# Altium PCB Board_C24_vrs02.PcbDoc (part 2 of 2)
Units mil, origin at the board's own origin, x right, y up, seen from the top; angles counter-clockwise.
Board outline 3346.5 x 3937.01 mil, 2 copper layers (Top Layer, Bottom Layer); 104 components, 99 nets, 511 pads, 285 vias.
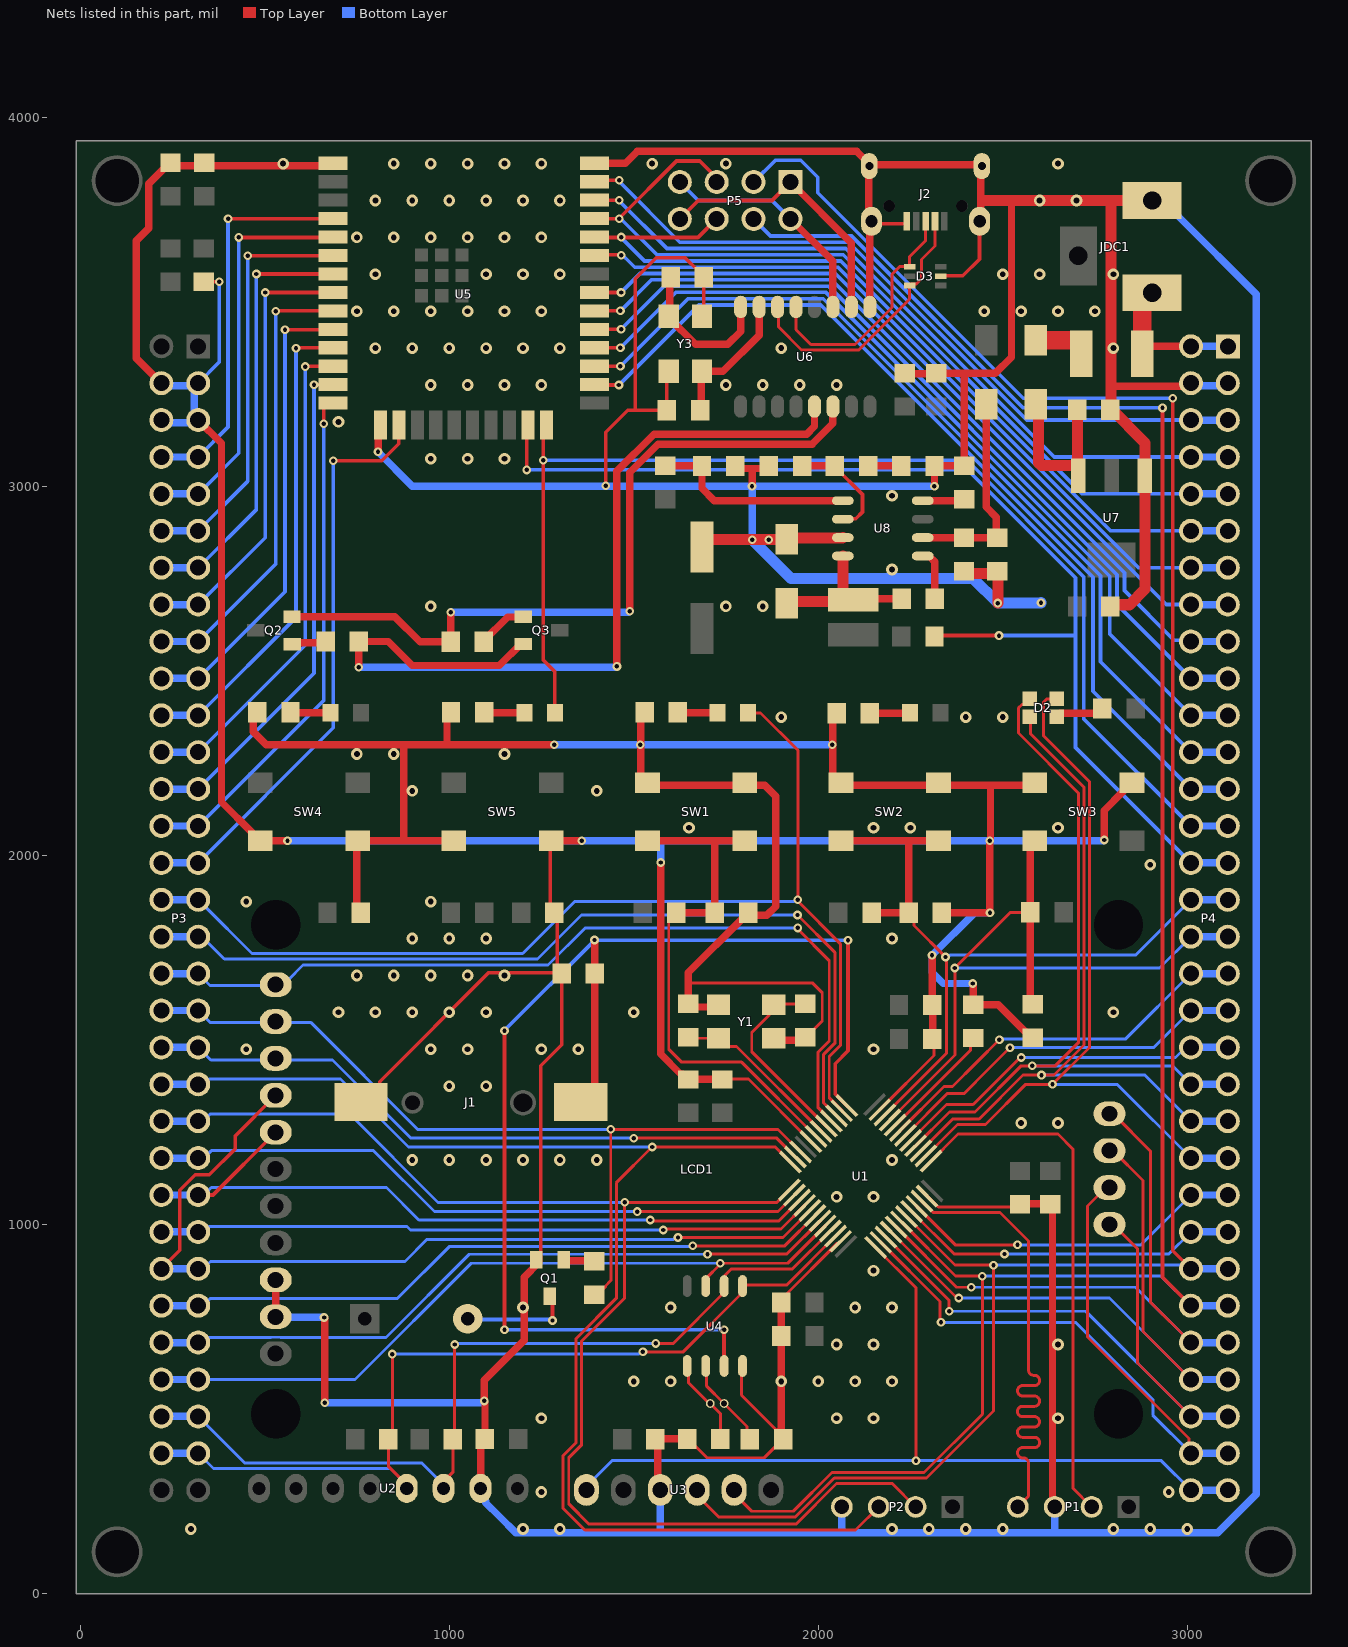
[diagram p2: the nets of this part, all layers, seen from the top]

## Via types
v1: diameter 31.5/31.5 (per signal layer), hole 15.75, Top Layer to Bottom Layer, tented both sides, 145 vias
v2: diameter 23.62, hole 11.81, Top Layer to Bottom Layer, tented both sides, 127 vias
v3: diameter 23.62, hole 11.81, Top Layer to Bottom Layer, 12 vias
v4: diameter 31.5, hole 15.75, Top Layer to Bottom Layer, tented both sides, 1 vias

## Nets (pads, with @x,y where several pads share a name; then routed paths per layer and width w, separated by ;. In a path a pad name is that pad's centre, name@x,y a point inside that pad or via, vN(x,y) a via of type N, cw(c..) or ccw(c..) an arc to the next point about the centre after c; other vN are vias at no path point) (continued)
GND: C1.1 C2.1 C3.1 C4.1 C5.1 C6.1 C7.1 C8.1 C9.1 C10.1 C11.1 C12.1 C13.1 C14.1 C15.1 C16.1 C17.1 C18.1 C19.1 C20.1 C21.1 C22.1 C23.1 C24.1 C25.1 C26.1 C27.1 C28.1 C29.1 C31.2 C32.1 C33.1 C35.1 C36.1 D3.2 D8.1 J1.2 J2.5 J2.Shell JDC1.2 LCD1.9 LCD1.10 P1.3 P2.4 P3.3 P3.4 P3.5 P3.6 P4.3 P4.4 Q1.1 R2.1 R3.1 R14.1 R16.1 R17.1 R19.1 R20.1 SW1.A1 SW1.A2 SW2.A1 SW2.A2 SW3.A1 SW3.A2 SW4.A1 SW4.A2 SW5.A1 SW5.A2 U1.8 U1.23 U1.35 U1.47 U2.2 U3.3 U4.4 U5.1 U5.15 U5.38 U6.1 U7.1 U8.7 Y1.2 Y1.4 Y3.2 Y3.4 | length 34904.8
  Top Layer w8: C2.1@1637,1590.83 C2.1@1646,1599.83 ; C14.1@1644.75,419.75 1655,409.5 1657.5,409.5 1699,368 1853.64,368 1882.14,396.5 1884,396.5 1891.5,404 C15.1@1891.5,428 ; 1648,1648 1655,1655 1984,1655 2011,1628 2011,1551.33 1969.67,1510 1966.28,1510 C1.1@1954,1497.72 ; C10.1@1740,1393 1741,1394 1811,1394 U1.8@1983.33,1221.67 ; U4.4@1792.01,604.71 1792.01,537.49 C15.1@1891.5,438 ; C7.1@1898,790.83 1910,802.83 1910,807.64 U1.23@2051.4,949.04 ; U1.47@2165.4,1309.6 2314,1458.19 2314,1498 C9.1@2309,1503 ; U1.35@2284.56,1088.44 2325.65,1047.35 2535.35,1047.35 C8.1@2536,1048
  Top Layer w10: C25.1@335,3555 v2(377.09,3555) ; J1.2@770.54,1325 811.72,1366.18 811.72,1387.05 1106.67,1682 1303,1682 C17.1@1305,1680 1305,1487 1248,1430 1248,909 Q1.1@1243,904 ; SW5.A1@1265.54,2033 1274,2024.54 C27.1@1274,1845 ; C27.1@1285,1845 1293,1837 C17.1@1293,1680 ; v2(1424,3002) 1424,3147 1483.85,3206.85 C21.1@1590,3206.85 1590,3307.32 Y3.4@1594.72,3312.05 ; 1504,3206.85 1504,3563 1561,3620 1639.35,3620 1675,3584.35 C22.1@1679,3580.35 ; Y3.2@1685.28,3461.65 1690,3466.38 C22.1@1690,3566.85 ; J2.Shell@2144.35,3711.68 2228.82,3711.68 ; D3.2@2327.9,3571 2392,3571 2437,3616 2437,3718.02 J2.Shell@2437.65,3718.68
  Top Layer w20: P3.4@220,3280 152,3348 152,3665.68 186,3699.68 186,3820.35 242.5,3876.85 C23.1@245,3876.85 ; C23.1@242.5,3869.38 U5.1@673.13,3869.38 ; P3.5@320,3180 383,3117 383,2145.11 464.65,2063.46 464.65,2057.56 482.2,2040 SW4.A2@488.11,2040 v2(562,2040) ; R16.1@469,2381.3 469,2335 504,2300 877,2300 ; LCD1.10@530,750 LCD1.9@530,850 ; v2(661,748) 661,747.02 663,745.02 v2(663,517) ; C26.1@749.35,1838 749.35,2024.54 740.89,2033 SW4.A1@749.35,2033 ; SW4.A1@751.89,2040 877,2040 ; v2(807.14,3093.81) 807.83,3094.5 807.83,3160.94 U5.15@813.74,3166.85 ; 994,2300 R14.1@994,2381.3 ; SW5.A2@1012.76,2040 877,2040 ; U2.2@1085,285 1086,286 C12.1@1086,419 ; C12.1@1097,419 1097,519.04 1095,521.04 1095,578 1203,686 1203,857.11 1243,897.11 Q1.1@1243,904 ; SW5.A1@1276.54,2040 v2(1359,2040) ; v2(1285,2300) 877,2300 ; U5.38@1393.27,3875.91 1477.91,3875.91 1510,3908 2104.64,3908 2126.73,3885.91 2130.39,3882.29 J2.Shell@2130.39,3868.28 ; R3.1@1519,2381.3 1519,2197.88 1526.4,2190.48 1855.52,2190.48 1885,2161 1885,1862 1861,1838 C11.1@1805.5,1838 ; C13.1@1559,418 1560,419 C13.1@1565.5,419 ; U3.3@1572,271.16 U3.3@1572,281 1565.5,287.5 C13.1@1565.5,419 ; v2(1573,1981) 1573,1462 1627,1408 1633,1408 C6.1@1648,1393 1649,1394 1739,1394 C10.1@1740,1393 ; C2.1@1637,1590.83 1638.28,1589.56 1717.92,1589.56 Y1.2@1719.2,1588.28 ; C14.1@1645,420 1644.75,419.75 1644,419 C13.1@1565.5,419 ; C2.1@1648,1597.83 1648,1648 1648,1683 1792.5,1827.5 1795,1827.5 1810,1842.5 C11.1@1810,1845 ; R19.1@1764.23,3048.83 1821,3048.83 ; v2(1820.62,3000.62) 1821,3001 1821,3048.83 ; C35.1@1866.23,3055.83 1859.23,3048.83 1821,3048.83 ; Y1.4@1870.36,1499.28 1952.44,1499.28 C1.1@1954,1497.72 ; C15.1@1891.5,428 C15.1@1891.5,438 ; C7.1@1900,788.83 C3.1@1900,698 1900,425 C15.1@1905,420 ; v2(2038,2300) v2@2039,2299 ; R17.1@2039,2378.3 v2@2039,2299 ; J2.Shell@2137.25,3711.68 2137.25,3867.09 J2.Shell@2138.44,3868.28 2142.16,3872 2439.84,3872 J2.Shell@2443.56,3868.28 2440.61,3865.33 2440.61,3721.63 J2.Shell@2437.65,3718.68 ; U6.1@2140,3486.54 2140,3714.33 J2.Shell@2144.35,3718.68 ; C19.1@2235,3306.85 2235.85,3306 2319.15,3306 C20.1@2320,3306.85 2396.24,3306.85 ; v2(2308.37,1729.37) 2308.69,1729.06 2308.69,1595.32 2310,1594.01 2310,1504 C9.1@2309,1503 ; v2(2315.03,3001.03) 2315.13,3001.13 2315.13,3050.18 2320.77,3055.83 2387.31,3055.83 C36.1@2389.78,3053.36 ; C16.1@2331,1845 2465.5,1845 v2(2465.75,1845.25) 2465.38,1845.62 2465.38,2040.38 v2@2467,2042 ; C36.1@2396.24,3055.83 2396.24,3306.85 ; v2(2419,1653) 2420.5,1651.5 2420.5,1596 2488,1596 2562.5,1521.5 2566.5,1521.5 C18.1@2581.5,1506.5 ; v2(2465,2040) v2@2467,2042 ; 2526,3775 2524,3773 2524,3350.7 2480.15,3306.85 2396.24,3306.85 ; C8.1@2547,1055 2548,1056 2628.01,1056 C4.1@2629.01,1055 2635.01,1049.01 2635.01,240.74 P1.3@2641,234.75 ; SW3.A1@2575.69,2190.48 2468,2190.48 ; v2(2775,2042) 2775,2122.01 2827.01,2174.02 2827.01,2179.92 2844.57,2197.48 SW3.A2@2850.47,2197.48 ; 2793,3272 3002,3272 P4.4@3010,3280 ; 877,2040 877,2300 ; v2@2039,2299 2039,2202.53 2051.05,2190.48 2468,2190.48 ; v2@2467,2042 2467,2189.48 2468,2190.48
  Top Layer w30: C31.2@1690.72,2849 1697.73,2856 v2(1866,2856) 1913.79,2856 D8.1@1915.23,2857.44 ; D8.1@1918.79,2861 2066.38,2861 U8.7@2066.96,2861.58 ; C33.1@2384.23,2763.83 2484,2763.83 2487,2760.83 v2(2487,2684) ; 2446.56,3775 2526,3775 2793,3775 ; C29.1@2792,2674.83 2796.66,2679.48 2843.48,2679.48 2886,2722 2886,3028.72 U7.1@2885.55,3029.17 2885.55,3118.45 2793,3211 2793,3272 2793,3775 ; JDC1.2@2905,3775 2793,3775
  Bottom Layer w10: P3.3@320,3280 377.09,3337.09 v2(377.09,3555)
  Bottom Layer w20: P3.6@209,3173 309,3173 309,3273 P3.4@209,3273 ; LCD1.10@530,750 531.31,748.69 660.31,748.69 v2(661,748) ; v2(562,2040) v2(1359,2040) 1573,2040 ; v2(663,517) 1089,517 1094.02,522.02 v2(1095,522.02) ; v2(807.14,3093.81) 900.33,3000.62 v2(1820.62,3000.62) ; U2.2@1085,285 1085,264.59 1099.51,250.08 1099.51,245.49 1136.24,208.76 1180,165 1572,165 ; v2(1285,2300) v2(1518,2300) v2(2038,2300) ; U3.3@1572,281 1572,165 ; v2(1573,1981) 1573,2040 ; v2(1821,2856) 1821,3000.25 v2(1820.62,3000.62) ; P2.4@2064,234.75 2064,172.63 2071.63,165 ; v2(2315.03,3001.03) 2314.62,3000.62 v2(1820.62,3000.62) ; v2(2419,1653) 2339,1653 2308.37,1683.63 v2(2308.37,1729.37) 2424.25,1845.25 v2(2465.75,1845.25) ; 2641,165 P1.3@2641,234.75 ; v2(2775,2042) 2774.02,2042 2772.02,2040 v2(2465,2040) 1573,2040 ; JDC1.2@2905,3775 2935,3775 2975,3735 2975,3733 3187,3521 3187,269 3083,165 2071.63,165 ; P4.4@2999,3273 P4.3@3099,3273 ; 1572,165 2071.63,165
  Bottom Layer w30: v2(1821,2856) 1926,2751 2420,2751 v2(2487,2684) 2603,2684 v2(2604,2685)
  other v1: 300,175 1200,175 1300,175 2200,175 2300,175 2400,175 2500,175 2800,175 2900,175 3000,175 1250,275 2950,275 1250,475 2050,475 2150,475 2650,475 1500,575 1600,575 1900,575 2000,575 2100,575 2200,575 2050,675 2150,675 2650,675 1200,775 1600,775 2100,775 2200,775 2150,875 2050,1075 2150,1075 900,1175 1000,1175 1100,1175 1200,1175 1300,1175 1400,1175 2200,1175 2550,1275 2650,1275 1000,1375 1100,1375 450,1475 950,1475 1050,1475 1250,1475 1350,1475 2150,1475 700,1575 800,1575 900,1575 1000,1575 1100,1575 1500,1575 2800,1575 750,1675 850,1675 950,1675 1050,1675 1150,1675 900,1775 1000,1775 1100,1775 2200,1775 450,1875 950,1875 2900,1975 1650,2075 2150,2075 2250,2075 2650,2075 900,2175 1400,2175 750,2275 850,2275 1150,2275 1900,2375 2400,2375 2500,2375 950,2675 1750,2675 1850,2675 2200,2775 2200,2975 950,3075 1050,3075 1150,3075 700,3175 950,3275 1050,3275 1150,3275 1250,3275 1750,3275 1850,3275 1950,3275 2050,3275 800,3375 900,3375 1000,3375 1100,3375 1200,3375 1300,3375 1900,3375 2800,3375 750,3475 850,3475 950,3475 1050,3475 1150,3475 1250,3475 2450,3475 2550,3475 2650,3475 2750,3475 800,3575 1100,3575 1200,3575 1300,3575 2500,3575 2600,3575 2800,3575 750,3675 850,3675 950,3675 1050,3675 1150,3675 1250,3675 800,3775 900,3775 1000,3775 1100,3775 1200,3775 1300,3775 2600,3775 2700,3775 550,3875 850,3875 950,3875 1050,3875 1150,3875 1250,3875 1550,3875 1750,3875 2650,3875
IO2: D4.1 P4.27 P4.28 U5.24 | length 3288.1
  Top Layer w10: U5.24@1263.74,3166.85 1255,3158.11 1255,2530 1286.34,2498.66 D4.1@1286.34,2386.3
  Bottom Layer w10: v2(1255,3071.19) 2403.64,3071.19 2720,2754.83 2720,2370 P4.28@3010,2080
  Bottom Layer w20: P4.28@3010,2080 P4.27@3110,2080
IO4: P4.25 P4.26 U5.26 | length 2531.4
  Top Layer w10: U5.26@1393.27,3275.91 1394.17,3275 v2(1460,3275)
  Bottom Layer w10: v2(1460,3275) 1677,3492 2006.88,3492 2745,2753.88 2745,2445 P4.26@3010,2180
  Bottom Layer w20: P4.26@3010,2180 P4.25@3110,2180
IO5: P4.19 P4.20 U5.29 | length 2253
  Top Layer w10: U5.29@1393.27,3425.91 v2(1465.91,3425.91)
  Bottom Layer w10: v2(1465.91,3425.91) 1583,3543 2028,3543 2810,2761 2810,2680 P4.20@3010,2480
  Bottom Layer w20: P4.20@3010,2480 P4.19@3110,2480
IO12: P3.27 P3.28 U5.14 | length 1403.8
  Top Layer w10: v2(660,3170) 660.08,3170.08 660.08,3213.19 672.8,3225.91 U5.14@684.61,3225.91
  Bottom Layer w10: P3.27@320,2080 660,2420 v2(660,3170)
  Bottom Layer w20: P3.28@220,2080 P3.27@320,2080
IO13: P3.29 P3.30 U5.16 | length 1588.7
  Top Layer w10: v2(686.19,3070) 817,3070 863.18,3116.18 863.18,3166.29 U5.16@863.74,3166.85
  Bottom Layer w10: P3.29@320,1980 686.19,2346.19 v2(686.19,3070)
  Bottom Layer w20: P3.30@220,1980 P3.29@320,1980
IO14: P3.25 P3.26 U5.13 | length 1376.7
  Top Layer w10: v2(633.81,3275.91) U5.13@684.61,3275.91
  Bottom Layer w10: P3.25@320,2180 633.81,2493.81 v2(633.81,3275.91)
  Bottom Layer w20: P3.26@220,2180 P3.25@320,2180
IO15: P4.29 P4.30 R12.1 U5.23 | length 3118.9
  Top Layer w10: v2(1210,3045) 1210,3163.11 U5.23@1213.74,3166.85 ; R12.1@2315.23,2593.73 2317.5,2596 v2(2490,2596)
  Bottom Layer w10: v2(1210,3045) 2405,3045 2697.5,2752.5 2697.5,2600 ; v2(2490,2596) 2693.5,2596 2697.5,2600 ; P4.30@3010,1980 2697.5,2292.5 2697.5,2596 2697.5,2600
  Bottom Layer w20: P4.30@3010,1980 P4.29@3110,1980
IO16: P4.23 P4.24 U5.27 | length 2438.1
  Top Layer w10: U5.27@1393.27,3325.91 v2(1464.09,3325.91)
  Bottom Layer w10: v2(1464.09,3325.91) 1647.19,3509 2013.92,3509 2765,2757.92 2765,2525 P4.24@3010,2280
  Bottom Layer w20: P4.24@3010,2280 P4.23@3110,2280
IO17: P4.21 P4.22 U5.28 | length 2345.5
  Top Layer w10: U5.28@1393.27,3375.91 v2(1464.09,3375.91)
  Bottom Layer w10: v2(1464.09,3375.91) 1614.19,3526 2020.96,3526 2790,2756.96 2790,2600 P4.22@3010,2380
  Bottom Layer w20: P4.22@3010,2380 P4.21@3110,2380
IO18: P4.17 P4.18 U5.30 | length 2185.6
  Top Layer w10: U5.30@1393.27,3475.91 v2(1464.09,3475.91)
  Bottom Layer w10: v2(1464.09,3475.91) 1548.19,3560 2036,3560 2830,2766 2830,2718 2964.38,2583.62 3006.38,2583.62 P4.18@3010,2580
  Bottom Layer w20: P4.18@3010,2580 P4.17@3110,2580
IO19: P4.15 P4.16 U5.31 | length 2109.4
  Top Layer w10: U5.31@1393.27,3525.91 v2(1465.91,3525.91)
  Bottom Layer w10: v2(1465.91,3525.91) 1517,3577 2046,3577 2943,2680 P4.16@3010,2680
  Bottom Layer w20: P4.16@3010,2680 P4.15@3110,2680
IO21: P4.13 P4.14 U5.33 | length 2068.9
  Top Layer w10: U5.33@1393.27,3625.91 1395.36,3628 1464.81,3628 v2(1466,3626.81)
  Bottom Layer w10: v2(1466,3626.81) 1469.69,3626.81 1476.5,3620 1477,3620 1503,3594 2053.92,3594 2867.92,2780 P4.14@3010,2780
  Bottom Layer w20: P4.14@3010,2780 P4.13@3110,2780
IO22: P4.7 P4.8 U5.36 | length 2005
  Top Layer w10: U5.36@1393.27,3775.91 v2@1459.09,3775.91
  Bottom Layer w10: v2@1459.09,3775.91 1590,3645 2075.04,3645 2640.04,3080 P4.8@3010,3080
  Bottom Layer w20: P4.8@3010,3080 P4.7@3110,3080
  other v2: 1461.09,3775.91
IO23: P4.5 P4.6 U5.37 | length 1989.4
  Top Layer w10: U5.37@1393.27,3825.91 1397.36,3830 v2@1460,3830
  Bottom Layer w10: v2@1460,3830 1460,3827.1 1625.1,3662 2083,3662 2565,3180 P4.6@3010,3180
  Bottom Layer w20: P4.6@3010,3180 P4.5@3110,3180
  other v2: 1461,3830
IO25: P3.19 P3.20 U5.10 | length 1272.3
  Top Layer w10: v2(555,3425) 683.7,3425 U5.10@684.61,3425.91
  Bottom Layer w10: P3.19@320,2480 555,2715 v2(555,3425)
  Bottom Layer w20: P3.20@220,2480 P3.19@320,2480
IO26: P3.21 P3.22 U5.11 | length 1304.7
  Top Layer w10: v2(585,3375) 585.91,3375.91 U5.11@684.61,3375.91
  Bottom Layer w10: P3.21@320,2380 585,2645 v2(585,3375)
  Bottom Layer w20: P3.22@220,2380 P3.21@320,2380
IO27: P3.23 P3.24 U5.12 | length 1340.1
  Top Layer w10: v2(610,3325) 610.91,3325.91 U5.12@684.61,3325.91
  Bottom Layer w10: P3.23@320,2280 610,2570 v2(610,3325)
  Bottom Layer w20: P3.24@220,2280 P3.23@320,2280
IO32: P3.15 P3.16 U5.8 | length 1204.2
  Top Layer w10: v2(501.43,3525.91) U5.8@684.61,3525.91
  Bottom Layer w10: P3.15@320,2680 501.43,2861.43 v2(501.43,3525.91)
  Bottom Layer w20: P3.16@220,2680 P3.15@320,2680
IO33: P3.17 P3.18 U5.9 | length 1236.8
  Top Layer w10: v2(530,3475) cw(c532.19,3472.81) 532.19,3475.91 U5.9@684.61,3475.91
  Bottom Layer w10: P3.17@320,2580 530,2790 v2(530,3475)
  Bottom Layer w20: P3.18@220,2580 P3.17@320,2580
IO34: P3.11 P3.12 U5.6 | length 1131.6
  Top Layer w10: v2(453.81,3625) 683.7,3625 U5.6@684.61,3625.91
  Bottom Layer w10: P3.11@320,2880 453.81,3013.81 v2(453.81,3625)
  Bottom Layer w20: P3.12@220,2880 P3.11@320,2880
IO35: P3.13 P3.14 U5.7 | length 1168.2
  Top Layer w10: v2(477.62,3575.91) U5.7@684.61,3575.91
  Bottom Layer w10: P3.13@320,2780 477.62,2937.62 v2(477.62,3575.91)
  Bottom Layer w20: P3.14@220,2780 P3.13@320,2780
NetB*1_2: BZ1.2 Q1.2 | length 297.9
  Top Layer w10: v2(1280,740) Q1.2@1280,805.79
  Bottom Layer w10: BZ1.2@1050,745 1052.5,742.5 1277.5,742.5 v2(1280,740)
NetC1_2: C1.2 U1.5 Y1.1 | length 530.1
  Top Layer w8: Y1.1@1879.8,1595.28 1881.53,1597 1964.17,1597 C1.2@1965,1597.83 ; Y1.1@1890.87,1595.28 1867.31,1571.72 1867.31,1567.78 1820,1520.47 1820,1468.48 U1.5@2023.42,1265.05
NetC2_2: C2.2 U1.6 Y1.3 | length 473.7
  Top Layer w8: C2.2@1648,1507.83 1651.11,1504.72 1745.2,1504.72 1745.2,1494.71 1757.69,1482.21 1778.43,1482.21 U1.6@2009.51,1251.14
NetC11_2: C11.2 R1.1 SW1.B1 SW1.B2 U1.7 | length 1443.2
  Top Layer w8: R1.1@1615,1845 1595,1825 1595,1475 1630,1440 1792.8,1440 U1.7@1995.59,1237.22
  Top Layer w20: SW1.B1@1537.4,2040 1725,2040 ; R1.1@1615,1845 C11.2@1720,1845 1720,2035 1725,2040 ; SW1.B2@1801.18,2040 1725,2040
NetC14_2: C14.2 U4.1 Y2.1 | length 255.4
  Top Layer w8: U4.1@1645,636.73 1647.99,633.74 1647.99,572.01 1705,515 Y2.1@1707.44,515 1735,487.44 C14.2@1735,420
NetC15_2: C15.2 U4.2 Y2.2 | length 263.9
  Top Layer w8: U4.2@1696.83,634.9 1696.83,563.17 Y2.2@1745,515 1807.19,452.81 1807.19,427.81 C15.2@1815,420
NetC21_2: C21.2 U6.7 Y3.1 | length 379.2
  Top Layer w20: C21.2@1680,3206.85 1682.64,3209.49 1682.64,3309.41 Y3.1@1685.28,3312.05 1742.05,3312.05 1840,3410 U6.7@1840,3486.54
NetC22_2: C22.2 U6.8 Y3.3 | length 413.8
  Top Layer w20: Y3.3@1594.72,3457.72 1667.44,3385 1755,3385 1790,3420 U6.8@1790,3486.54 ; Y3.3@1594.72,3461.65 1597.36,3464.29 1597.36,3564.21 C22.2@1600,3566.85
NetC30_1: C30.1 D8.2 L1.1 U8.8 | length 452.9
  Top Layer w8: L1.1@2095.23,2693.07 L1.1@2125,2693.07
  Top Layer w20: L1.1@2125,2693.07 2127.76,2695.83 C30.1@2226.23,2695.83
  Top Layer w30: D8.2@1915.23,2684.21 1919.66,2688.64 2090.8,2688.64 L1.1@2095.23,2693.07 2083.45,2693.07 2066.96,2709.57 U8.8@2066.96,2811.58
NetC30_2: C30.2 U8.1 | length 139.1
  Top Layer w20: U8.1@2283.49,2811.58 2300.23,2811.58 2316.23,2795.59 C30.2@2316.23,2695.83
NetC34_1: C34.1 R20.2 | length 90
  Top Layer w20: C34.1@2135.23,3055.83 R20.2@2225.23,3055.83
NetC34_2: C34.2 C35.2 U8.6 | length 305.9
  Top Layer w10: C34.2@2045.23,3055.83 2045.23,3053.33 2120,2978.55 2120,2931 2101.59,2912.59 2067.96,2912.59 U8.6@2066.96,2911.58
  Top Layer w20: C35.2@1956.23,3055.83 C34.2@2045.23,3055.83
NetC36_2: C36.2 U8.4 | length 114.5
  Top Layer w20: U8.4@2283.49,2961.58 2391.99,2961.58 C36.2@2396.24,2965.83
NetD1_2: D1.2 R3.2 | length 108.2
  Top Layer w20: R3.2@1620,2388.3 1621,2387.3 1726.32,2387.3 D1.2@1727.32,2386.3
NetD2_4: D2.4 R4.1 | length 132.8
  Top Layer w20: D2.4@2646.42,2376.04 2656.1,2385.73 2757.43,2385.73 R4.1@2770,2398.3
NetD3_4: D3.4 J2.3 U6.5 | length 666.8
  Top Layer w8: U6.5@1940,3486.54 1940,3425 1980,3385 2100,3385 2200,3485 2200,3575 2220.59,3595.59 D3.4@2247.68,3595.59 2247.68,3622.68 2291,3666 J2.3@2291,3718.68
NetD3_6: D3.6 J2.2 U6.6 | length 740.7
  Top Layer w8: U6.6@1890,3486.54 1893.04,3483.5 1893.04,3431.96 1955,3370 2110,3370 2247.68,3507.68 D3.6@2247.68,3544.41 2251.55,3548.28 2265.14,3548.28 2280,3563.14 2280,3615 2316.59,3651.59 J2.2@2316.59,3718.68
NetD4_2: D4.2 R14.2 | length 109.5
  Top Layer w20: R14.2@1095,2388.3 1096,2387.3 1202.66,2387.3 D4.2@1203.66,2386.3
NetD5_1: D5.1 F1.2 | length 155.7
  Top Layer w50: D5.1@2590,3396.61 2706.81,3396.61 2712.32,3391.1 F1.2@2712.32,3360
NetD6_2: D6.2 R16.2 | length 109.5
  Top Layer w20: R16.2@570,2388.3 571,2387.3 677.66,2387.3 D6.2@678.66,2386.3
NetD7_2: D7.2 R17.2 | length 109.1
  Top Layer w20: R17.2@2140,2385.3 2140.5,2385.8 2248.16,2385.8 D7.2@2248.66,2386.3
NetP1_2: P1.2 U1.37 | length 1424.2
  Top Layer w8: U1.37@2304.6,1170.4 2379.19,1245 2650,1245 2690,1205 2690,285.75 P1.2@2741,234.75
NetP1_4: P1.4 U1.34 | length 1440
  Top Layer w8: U1.34@2279.54,1064.62 2311.81,1032.35 2492.65,1032.35 2570,955 2570,609.37 2570,605.37 ccw(c2584,605.37) 2584,591.37 2586,591.37 cw(c2586,577.37) 2586,563.37 2554,563.37 ccw(c2554,549.37) 2554,535.37 2586,535.37 cw(c2586,521.37) 2586,507.37 2554,507.37 ccw(c2554,493.37) 2554,479.37 2586,479.37 cw(c2586,465.37) 2586,451.37 2554,451.37 ccw(c2554,437.37) 2554,423.37 2586,423.37 cw(c2586,409.37) 2586,395.37 2554,395.37 ccw(c2554,381.37) 2554,367.37 2556,367.37 cw(c2556,353.37) 2570,353.37 2570,334 2570,263.75 P1.4@2541,234.75
NetQ1_3: Q1.3 R8.1 | length 84.3
  Top Layer w20: Q1.3@1317.4,904.21 1319.51,902.11 1397.89,902.11 R8.1@1400,900
NetQ2_1: Q2.1 R15.2 U6.14 | length 2052.2
  Top Layer w20: Q2.1@574,2647 853,2647 921,2579 R15.2@1004,2579 v2(1004,2659) ; v2(1489,2662) 1489,3037.82 1566.18,3115 1984,3115 2040,3171 U6.14@2040,3216.85
  Bottom Layer w20: v2(1004,2659) 1485.02,2659 1488.02,2662 v2(1489,2662)
NetQ2_3: Q2.3 R13.1 | length 93.9
  Top Layer w20: Q2.3@574.21,2572.59 577.92,2576.3 661.3,2576.3 R13.1@665,2580
NetQ3_1: Q3.1 R13.2 U6.13 | length 2436.3
  Top Layer w20: v2(755,2510) R13.2@755,2580 835,2580 900,2515 1136.11,2515 1194.11,2573 Q3.1@1201,2573 ; v2(1454.59,2512.41) 1454.59,3041.59 1555,3142 1969,3142 1990,3163 U6.13@1990,3216.85
  Bottom Layer w20: v2(755,2510) 1451.2,2510 1453.61,2512.41 v2(1454.59,2512.41)
NetQ3_3: Q3.3 R15.1 | length 136.6
  Top Layer w20: R15.1@1094,2579 1094,2581.5 1158.95,2646.45 1199.84,2646.45 Q3.3@1200.79,2647.4
NetR2_2: R2.2 U1.44 | length 330
  Top Layer w8: U1.44@2207.16,1267.84 2207.84,1267.84 2413.19,1473.19 2413.19,1484.5 2413.69,1485 R2.2@2430,1485 ; R2.2@2412.51,1498.01 R2.2@2420,1505.5
NetR18_1: R18.1 R19.2 U8.5 | length 556.5
  Top Layer w20: R18.1@1585.23,3055.83 R19.2@1685.23,3055.83 1685.23,2994.77 1718.42,2961.58 U8.5@2066.96,2961.58
PA0: LCD1.2 P3.37 P3.38 R8.2 U1.10 | length 2357.2
  Top Layer w8: R8.2@1400,810 1402.5,810 1423.5,831 1423.5,833.5 1438,848 1438,1053.39 1437.94,1053.45 v2(1437.94,1257.81) ; v2@1438.87,1257.81 1891.47,1257.81 U1.10@1953.83,1195.46
  Bottom Layer w8: P3.37@320,1580 352,1548 530,1548 624.68,1548 914.87,1257.81 v2(1437.94,1257.81)
  Bottom Layer w20: P3.38@220,1580 P3.37@320,1580
PA1: LCD1.3 P3.39 P3.40 U1.11 | length 1844.3
  Top Layer w8: v2(1500,1234.06) 1500.94,1235 1886.45,1235 U1.11@1939.91,1181.54
  Bottom Layer w8: P3.39@320,1480 354,1446 684,1446 895,1235 1499.06,1235 v2(1500,1234.06)
  Bottom Layer w20: P3.40@220,1480 P3.39@320,1480
PA2: P2.3 P3.41 P3.42 U1.12 | length 3790.4
  Top Layer w8: U1.12@1925.99,1167.62 1883.61,1210 v2(1550,1210) 1453,1113 1453,1059.6 1453,800 1343.39,690.39 1343.39,408.61 1309,374.21 1309,230.69 1367.69,172 2101.25,172 P2.3@2164,234.75
  Bottom Layer w8: P3.41@320,1380 335.41,1380 349.88,1394.46 705.54,1394.46 890,1210 v2(1550,1210)
  Bottom Layer w20: P3.42@220,1380 P3.41@320,1380
PA3: P2.2 P3.43 P3.44 U1.13 | length 3738.7
  Top Layer w8: v2@1475,1060 1887.97,1060 U1.13@1921.79,1093.82 ; v2(1475.81,1060.01) 1475,1059.21 1475,800 1359,684 1359,403 1324,368 1324,243 1379,188 1940,188 2050,298 2200.75,298 P2.2@2264,234.75
  Bottom Layer w8: P3.43@320,1280 333.17,1280 353.17,1300 730,1300 970,1060 v2(1475.81,1060.01)
  Bottom Layer w20: P3.44@220,1280 P3.43@320,1280
PA4: P3.45 P3.46 U1.14 | length 1812.9
  Top Layer w8: v2(1510,1035) 1890.81,1035 U1.14@1937.12,1081.32
  Bottom Layer w8: P3.45@320,1180 335.41,1180 355.41,1200 795,1200 960,1035 v2(1510,1035)
  Bottom Layer w20: P3.46@220,1180 P3.45@320,1180
PA5: LCD1.5 P3.47 P3.48 U1.15 | length 2080.8
  Top Layer w8: v2(1545,1012.19) 1547.19,1010 1893.64,1010 U1.15@1951.04,1067.4
  Top Layer w10: P3.47@320,1080 360,1080 LCD1.5@530,1250
  Bottom Layer w8: P3.47@320,1080 335.41,1080 355.41,1100 830,1100 917.81,1012.19 v2(1545,1012.19)
  Bottom Layer w20: P3.48@220,1080 P3.47@320,1080
PA6: P3.49 P3.50 U1.16 | length 1784.1
  Top Layer w8: v2(1580,985) 1582.81,987.81 1899.29,987.81 1963.48,1052 1963.48,1053.48 U1.16@1964.96,1053.48
  Bottom Layer w8: P3.49@320,980 335.41,980 349.88,994.46 885.54,994.46 895,985 v2(1580,985)
  Bottom Layer w20: P3.50@220,980 P3.49@320,980
PA7: LCD1.4 P3.51 P3.52 U1.17 | length 2445.6
  Top Layer w8: v2(1620,965) 1904.32,965 U1.17@1978.88,1039.56
  Top Layer w10: P3.52@220,880 270,930 270,1092.9 312.1,1135 350,1135 420,1205 420,1240 LCD1.4@530,1350
  Bottom Layer w8: P3.51@320,880 333.17,880 353.17,900 880,900 940,960 1607.5,960 1609.51,962.01 1617.01,962.01 v2(1620,965)
  Bottom Layer w20: P3.52@220,880 P3.51@320,880
PA8: LCD1.15 P4.55 P4.56 U1.29 | length 1747.8
  Top Layer w8: U1.29@2209.94,995.02 2374.96,830 v2(2415,830) ; LCD1.15@2789.48,1300.16 2799.32,1300.16 2900,1199.49 2900,790 P4.56@3010,680
  Bottom Layer w8: v2(2415,830) 2860,830 P4.56@3010,680
  Bottom Layer w20: P4.56@3010,680 P4.55@3110,680
PA9: P4.53 P4.54 P5.4 U1.30 U3.5 | length 5949.7
  Top Layer w8: U3.5@1772,281 1772,271.16 1820.16,223 1932.57,223 2037.57,328 2287,328 2445,486 v2(2445,860) 2444.39,860.61 2372.19,860.61 U1.30@2225.28,1007.52
  Top Layer w10: v2(2933,3213) 2933,857 P4.54@3010,780
  Bottom Layer w8: v2(2445,860) 2930,860 P4.54@3010,780
  Bottom Layer w10: P5.4@1825,3725 1871,3679 2090.04,3679 2556.04,3213 v2(2933,3213)
  Bottom Layer w20: P4.54@3010,780 P4.53@3110,780
PA10: P4.51 P4.52 P5.3 U1.31 U3.4 | length 6117
  Top Layer w8: U3.4@1672,281 1672,266 1730,208 1938.79,208 2043.79,313 2293.21,313 2475,494.79 v2(2475,890) 2370.64,890 U1.31@2239.2,1021.44
  Top Layer w10: v2(2961,3239) 2961,929 P4.52@3010,880
  Bottom Layer w8: v2(2475,890) 3000,890 P4.52@3010,880
  Bottom Layer w10: P5.3@1825,3825 1884,3884 1953,3884 1999,3838 1999,3795.86 2555.86,3239 v2(2961,3239)
  Bottom Layer w20: P4.52@3010,880 P4.51@3110,880
PA11: P4.49 P4.50 U1.32 | length 931.5
  Top Layer w8: U1.32@2251.7,1036.78 2368.48,920 v2(2505,920)
  Bottom Layer w8: v2(2505,920) 2950,920 P4.50@3010,980
  Bottom Layer w20: P4.50@3010,980 P4.49@3110,980
PA12: P4.47 P4.48 U1.33 | length 944.1
  Top Layer w8: U1.33@2265.62,1050.7 2371.32,945 v2(2540,945)
  Bottom Layer w8: v2(2540,945) 2875,945 P4.48@3010,1080
  Bottom Layer w20: P4.48@3010,1080 P4.47@3110,1080
PA15: D2.3 P4.45 P4.46 U1.38 | length 2152.1
  Top Layer w8: U1.38@2290.68,1184.32 2377.54,1271.19 2453.45,1271.19 2562.26,1380 v2(2635,1380) 2735,1480 2735,2200 2610,2325 2610,2415 2619.42,2424.42 2645.58,2424.42 D2.3@2646.42,2425.26
  Bottom Layer w8: v2(2635,1380) 2810,1380 P4.46@3010,1180
  Bottom Layer w20: P4.46@3010,1180 P4.45@3110,1180
PB0: P3.53 P3.54 U1.18 | length 1874.5
  Top Layer w8: v2(1660,942.19) 1909.35,942.19 U1.18@1992.8,1025.64
  Bottom Layer w8: P3.53@320,780 333.17,780 353.17,800 860,800 1000,940 1657.81,940 v2(1660,942.19)
  Bottom Layer w20: P3.54@220,780 P3.53@320,780
PB1: P3.55 P3.56 U1.19 | length 1924.2
  Top Layer w8: v2(1700,919.38) 1700.62,920 1915,920 U1.19@2006.72,1011.72
  Bottom Layer w8: P3.55@320,680 333.17,680 347.17,694 513.75,694 cw(c520.16,650) 520.16,694.46 539.84,694.46 cw(c539.84,650) 546.25,694 829,694 1054.38,919.38 v2(1700,919.38)
  Bottom Layer w20: P3.56@220,680 P3.55@320,680
PB2: P3.57 P3.58 U1.20 U4.7 | length 2032.2
  Top Layer w8: U4.7@1695,853.27 1695.28,853.27 1735,892.99 v2(1735,895) 1917.84,895 U1.20@2020.64,997.8
  Bottom Layer w8: P3.57@320,580 745,580 1060,895 v2(1735,895)
  Bottom Layer w20: P3.58@220,580 P3.57@320,580
PB3: D2.1 P4.43 P4.44 U1.39 | length 2069.8
  Top Layer w8: U1.39@2276.76,1198.24 2364.7,1286.19 2436.19,1286.19 2555,1405 2638.79,1405 2720,1486.21 2720,2185 2575.96,2329.04 2575.96,2373.67 D2.1@2573.58,2376.04
  Bottom Layer w8: v2(2605,1405) 2885,1405 P4.44@3010,1280
  Bottom Layer w20: P4.44@3010,1280 P4.43@3110,1280
PB4: D2.2 P4.41 P4.42 U1.40 | length 2125
  Top Layer w8: U1.40@2262.84,1212.16 2355.68,1305 2425,1305 2550,1430 2642.57,1430 2705,1492.43 2705,2169.69 2542.9,2331.79 2542.9,2400.28 2552.18,2409.57 2557.9,2409.57 D2.2@2573.58,2425.26
  Bottom Layer w8: v2(2580,1430) 2960,1430 P4.42@3010,1380
  Bottom Layer w20: P4.42@3010,1380 P4.41@3110,1380
PB5: P4.39 P4.40 U1.41 | length 966.3
  Top Layer w8: U1.41@2248.92,1226.08 2347.84,1325 2420,1325 2547.81,1452.81 v2(2550,1452.81)
  Bottom Layer w8: v2(2550,1452.81) 2968.31,1452.81 2995.5,1480 P4.40@3010,1480
  Bottom Layer w20: P4.40@3010,1480 P4.39@3110,1480
PB6: P4.37 P4.38 U1.42 | length 1015.8
  Top Layer w8: U1.42@2235,1240 2350.61,1355.61 2396.23,1355.61 2459.12,1418.5 v2(2520,1479.38)
  Bottom Layer w8: v2(2520,1479.38) 2909.38,1479.38 P4.38@3010,1580
  Bottom Layer w20: P4.38@3010,1580 P4.37@3110,1580
PB7: P4.35 P4.36 U1.43 | length 1065.4
  Top Layer w8: U1.43@2221.08,1253.92 2341.12,1373.96 2363.96,1373.96 2429.94,1439.94 v2(2491.09,1501.09)
  Bottom Layer w8: v2(2491.09,1501.09) 2492.19,1502.19 2832.19,1502.19 P4.36@3010,1680
  Bottom Layer w20: P4.36@3010,1680 P4.35@3110,1680
PB8: C18.2 P4.33 P4.34 R9.1 SW3.B1 U1.45 | length 1980.8
  Top Layer w8: U1.45@2193.24,1281.76 2370.7,1459.22 2370.7,1694.3 v2(2370,1695) 2521,1846 R9.1@2575,1846
  Top Layer w20: C18.2@2581.5,1596.5 2575,1603 R9.1@2575,1846 2575,2028.31 SW3.B1@2586.69,2040
  Bottom Layer w8: v2(2370,1695) 2925,1695 P4.34@3010,1780
  Bottom Layer w20: P4.34@3010,1780 P4.33@3110,1780
PB9: C16.2 P4.31 P4.32 R5.1 SW2.B1 SW2.B2 U1.46 | length 2044.2
  Top Layer w8: U1.46@2179.32,1295.68 2347.19,1463.54 2347.19,1722.81 2259.81,1810.19 2259.81,1830.19 C16.2@2245,1845
  Top Layer w20: SW2.B1@2062.05,2040 2240,2040 ; R5.1@2145,1845 C16.2@2245,1845 2245,2035 2240,2040 ; SW2.B2@2325.83,2040 2240,2040
  Bottom Layer w8: v2(2345,1725) 2347.99,1727.99 2355.49,1727.99 2357.5,1730 2860,1730 P4.32@3005,1875
  Bottom Layer w20: P4.32@3010,1880 P4.31@3110,1880
PB10: P3.59 P3.60 R6.1 U1.21 U2.3 U4.6 | length 2427.5
  Top Layer w8: U2.3@985,285 985,303.57 1010,328.57 R6.1@1010,418 1015,423 v2(1015,675) ; v2(1560,677.81) 1607.26,677.81 1745,815.55 U4.6@1745,833.27 1747.99,836.26 1747.99,862.99 1765,880 1930.68,880 U1.21@2034.56,983.88
  Bottom Layer w8: P3.59@320,480 446,354 925.84,354 985,294.84 U2.3@985,285 ; v2(1015,675) 1017.81,677.81 v2(1560,677.81)
  Bottom Layer w20: P3.60@220,480 P3.59@320,480
PB11: P3.61 P3.62 R7.1 U1.22 U2.4 U4.5 | length 2444.4
  Top Layer w8: v2@845.56,649.44 v2(846.13,648.87) 846.13,429.13 R7.1@835,418 835,344.84 885,294.84 U2.4@885,285 ; v2(1525,655) 1634.45,655 1795,815.55 U4.5@1795,833.27 ; U4.5@1795,836.71 1915.22,836.71 U1.22@2048.48,969.96
  Bottom Layer w8: P3.61@320,380 361,339 840.84,339 885,294.84 U2.4@885,285 ; v2(846.13,648.87) 1514.64,648.87 1520.77,655 v2(1525,655)
  Bottom Layer w20: P3.62@220,380 P3.61@320,380
PB12: P4.63 P4.64 U1.25 U3.1 | length 2434.8
  Top Layer w8: U1.25@2154.27,939.34 2265,828.61 v2(2265,360)
  Bottom Layer w8: U3.1@1372,281 1372,290.84 1441.16,360 v2(2265,360) 2930,360 P4.64@3010,280
  Bottom Layer w20: P4.64@3010,280 P4.63@3110,280
PB13: LCD1.13 P4.61 P4.62 U1.26 | length 2102
  Top Layer w8: U1.26@2168.19,953.26 2330,791.45 2330,737.81 v2(2332.81,735) ; LCD1.13@2789.48,1100.16 2779.64,1100.16 2730,1050.53 2730,695 3004.55,420.45 3004.55,385.45 P4.62@3010,380
  Bottom Layer w8: v2(2332.81,735) 2697.29,735 2906.79,525.5 2906.79,483.21 P4.62@3010,380
  Bottom Layer w20: P4.62@3010,380 P4.61@3110,380
PB14: LCD1.12 P4.59 P4.60 U1.27 | length 1764.1
  Top Layer w8: U1.27@2182.11,967.18 2355,794.29 v2(2355,765) ; LCD1.12@2789.48,1000.16 2799.32,1000.16 2865,934.49 2865,625 P4.60@3010,480
  Bottom Layer w8: v2(2355,765) 2725,765 P4.60@3010,480
  Bottom Layer w20: P4.60@3010,480 P4.59@3110,480
PB15: LCD1.14 P4.57 P4.58 U1.28 | length 1797.4
  Top Layer w8: U1.28@2196.03,981.1 2369.73,807.4 2369.92,807.4 2376.55,800.77 v2(2380.77,800.77) ; LCD1.14@2789.48,1200.16 2799.32,1200.16 2880,1119.49 2880,710 P4.58@3010,580
  Bottom Layer w8: v2(2380.77,800.77) 2789.23,800.77 P4.58@3010,580
  Bottom Layer w20: P4.58@3010,580 P4.57@3110,580
PC13: D1.1 P3.31 P3.32 U1.2 | length 3084.3
  Top Layer w8: D1.1@1810,2386.3 1843.7,2386.3 1945,2285 v2(1945,1880) 1945,1875.77 2060,1760.77 2060,1485 2030,1455 2030,1343.86 2065.18,1308.67 U1.2@2065.18,1306.81
  Bottom Layer w8: P3.31@320,1880 335,1880 335,1865 465.72,1734.28 1199.28,1734.28 1340,1875 1932.5,1875 1934.51,1877.01 1942.01,1877.01 v2(1945,1880)
  Bottom Layer w20: P3.32@220,1880 P3.31@320,1880
PC14: P3.33 P3.34 U1.3 | length 2413.9
  Top Layer w8: v2(1943.87,1838.87) 2045,1737.74 2045,1491.21 2015,1461.21 2015,1329.16 U1.3@2051.26,1292.89
  Bottom Layer w8: P3.33@320,1780 330,1780 390.72,1719.28 1239.28,1719.28 1358.87,1838.87 v2(1943.87,1838.87)
  Bottom Layer w20: P3.34@220,1780 P3.33@320,1780
PC15: LCD1.1 P3.35 P3.36 U1.4 | length 2417.1
  Top Layer w8: v2(1945,1803.81) 1945,1800 2030,1715 2030,1497.43 2000,1467.43 2000,1316.32 U1.4@2037.34,1278.97
  Bottom Layer w8: P3.35@320,1680 352,1648 LCD1.1@530,1648 ; LCD1.1@530,1650 542.61,1662.61 563.61,1662.61 603.95,1702.95 1267.95,1702.95 1368.81,1803.81 v2(1945,1803.81) ; LCD1.1@551,1648 566,1648 LCD1.1@566,1660.21
  Bottom Layer w20: P3.36@220,1680 P3.35@320,1680
RXD: P5.2 P5.7 U6.3 | length 630.4
  Top Layer w20: P5.2@1925,3725 2040,3610 U6.3@2040,3486.54
  Bottom Layer w10: P5.7@1625,3825 1630,3825 1630,3820 1675,3775 1875,3775 P5.2@1925,3725
RXD0: P4.11 P4.12 P5.6 U5.34 | length 2329.7
  Top Layer w10: U5.34@1393.27,3675.91 1394.17,3675 v2@1465.19,3675 ; v2(1466.09,3675.91) v2@1465.19,3675 ; P5.6@1725,3725 1724,3725 1674,3675 v2@1465.19,3675
  Bottom Layer w10: v2@1464.09,3675.91 1529,3611 2060.96,3611 2791.96,2880 P4.12@3010,2880
  Bottom Layer w20: P4.12@3010,2880 P4.11@3110,2880
TXD: P5.1 P5.8 U6.2 | length 748.2
  Top Layer w10: P5.8@1625,3725 1675,3775 1875,3775 P5.1@1925,3825
  Top Layer w20: P5.1@1925,3825 2090,3660 U6.2@2090,3486.54
TXD0: P4.9 P4.10 P5.5 U5.35 | length 2383.1
  Top Layer w10: U5.35@1393.27,3725.91 v2@1459.09,3725.91 ; v2(1461.09,3725.91) 1461.09,3727.09 1616,3882 1679.15,3882 1725,3836.15 P5.5@1725,3825
  Bottom Layer w10: v2(1461.09,3725.91) 1464.78,3725.91 1471.59,3719.09 1471.91,3719.09 1563,3628 2068,3628 2716,2980 P4.10@3010,2980
  Bottom Layer w20: P4.10@3010,2980 P4.9@3110,2980
VBAT: C17.2 J1.1 U1.1 U4.3 | length 3451
  Top Layer w10: v2(1150,715) v2(1150,1525) ; U4.3@1745,636.73 v2(1745,715) ; U1.1@2079.1,1320.73 2046,1353.84 2046,1436 2080.85,1470.85 v2(2080.85,1770.03)
  Top Layer w20: J1.1@1356.74,1332 1395,1370.26 1395,1768.93 1393.73,1770.19 v2(1393.73,1771.17)
  Bottom Layer w10: v2(1150,715) v2(1745,715) ; v2(1150,1525) 1150,1526.22 1393.73,1769.95 v2(1393.73,1771.17) 1394.31,1770.6 2080.28,1770.6 v2(2080.85,1770.03)
VCC: C28.2 C32.2 C33.2 D5.2 D9.2 U7.3 U8.2 | length 1027.8
  Top Layer w20: U8.2@2283.49,2861.58 2283.87,2861.2 C32.2@2482.35,2861.2 ; D9.2@2455,3223.39 2455,2944.38 2482.35,2917.03 C32.2@2482.35,2861.2 ; C32.2@2485.23,2860.83 2484.85,2861.2 C32.2@2482.35,2861.2
  Top Layer w30: D5.2@2590,3223.39 2597.5,3215.89 2597.5,3064.33 2605,3056.83 2699.76,3056.83 U7.3@2703.22,3053.36 ; C28.2@2702,3208 2703.22,3206.78 U7.3@2703.22,3053.36 ; U7.3@2704.45,3029.17 2703.22,3030.4 U7.3@2703.22,3053.36
Vin: F1.1 JDC1.1 P4.1 P4.2 | length 418.3
  Top Layer w20: F1.1@2877.68,3360 2897.68,3380 P4.2@3010,3380
  Top Layer w50: F1.1@2877.68,3360 2877.68,3500 2902.68,3525 JDC1.1@2905,3525
  Bottom Layer w20: P4.2@3010,3380 P4.1@3110,3380
VN: P3.9 P3.10 U5.5 | length 1095.5
  Top Layer w10: v2(430,3675) 683.7,3675 U5.5@684.61,3675.91
  Bottom Layer w10: P3.9@320,2980 430,3090 v2(430,3675)
  Bottom Layer w20: P3.10@220,2980 P3.9@320,2980
VP: P3.7 P3.8 U5.4 | length 1063.1
  Top Layer w10: v2(400.91,3725.91) U5.4@684.61,3725.91
  Bottom Layer w10: P3.7@320,3080 400.91,3160.91 v2(400.91,3725.91)
  Bottom Layer w20: P3.8@220,3080 P3.7@320,3080
pads on no net: D3.3 D3.5 H1.1 H2.1 H3.1 H4.1 J1.42 J1.43 J2.4 J2.MH1 J2.MH2 JDC1.3 LCD1.6 LCD1.7 LCD1.8 LCD1.NC SW3.B2 U2.5 U2.6 U2.7 U2.8 U3.6 U5.17 U5.18 U5.19 U5.20 U5.21 U5.22 U5.32 U5.39 U6.9 U6.10 U6.11 U6.12 U6.15 U8.3
copper on no net:
  other v3: 952.32,3516.85 1007.44,3516.85 924.76,3544.41 979.88,3544.41 1035,3544.41 952.32,3571.97 1007.44,3571.97 924.76,3599.53 979.88,3599.53 1035,3599.53 952.32,3627.09 1007.44,3627.09

## Polygon pours and split planes (outlines as drawn)
GND on Top Layer "GND_L01_P010" (solid, remove dead copper, pour order 10): -10,0 -10,3937.01 3336.5,3937.01 3336.5,0
5V on Top Layer "NONET_L01_P-001" (solid, pour order 7): 2756,3080 2833,3080 2834,3079 2834,2874 2860,2848 2860,2753 2736,2753 2730,2759 2730,2848 2756,2874
VCC on Top Layer "NONET_L01_P-001" (solid, pour order 2): 2730,2949 2612,2831 2259,2831 2245,2845 2245,2872 2259,2886 2406,2886 2432,2912 2432,3265 2559,3265 2730,3265 2730,2981
NetD5_1 on Top Layer "NONET_L01_P-001" (solid, pour order 1): 2747,3297.02 2747,3438 2559,3438 2559,3351 2613.02,3296.98
NetC30_1 on Top Layer "NONET_L01_P-001" (solid, pour order 5): 2045,2834 2120,2834 2172,2782 2172,2657 2016,2657 1884,2657 1884,2727 1993,2727 1993,2782
3V3 on Top Layer "NONET_L01_P-001" (solid, pour order 6): 1741,2631 1716,2656 1716,2684 1653,2684 1653,2546 1719,2546 1740,2567 2172,2567 2172,2631
Vin on Top Layer "NONET_L01_P-001" (solid, pour order 0): 2824,3576 2824,3297 2947,3297 2985,3335 3150,3335 3150,3502 3076,3576
GND on Bottom Layer "GND_L02_P011" (solid, remove dead copper, pour order 11): -10,0 -10,3937.01 3336.5,3937.01 3336.5,0

## Keep-outs
Keep-Out Layer:
  the board outline again, w8

## Other copper
Top Layer:
  pour cut-out: 2018,2559 2018,2734 2172,2734 2172,2559
  region: 2019,2733
  region: 2019,2733
  region: 2019,2733
  region: 2019,2733
Bottom Layer:
  pour cut-out: 2018,2559 2018,2734 2172,2734 2172,2559

## Silkscreen, mask and mechanical layers (free items; w line width, h text height)
Top Overlay:
  drawing of 120 lines, arcs and shapes, not listed
  text "USB" at 2506.26,3852.5 h35
  text "7-15V" at 3191.5,3564.52 h35 r90
  text "VCC" at 3186.9,3369.63 h35
  text "3V3" at 50.35,3368.5 h35
  text "GND" at 3187.74,3269.24 h35
  text "GND" at 48.51,3268.11 h35
  text "IO23" at 3184.07,3168.85 h35
  text "GND" at 48.51,3167.72 h35
  text "IO22" at 3184.07,3068.45 h35
  text "VP" at 65.93,3067.32 h35
  text "TXD" at 3191.4,2968.06 h35
  text "VN" at 65.93,2966.93 h35
  text "RXD" at 3189.57,2867.66 h35
  text "IO34" at 44.01,2866.53 h35
  text "IO21" at 3191.57,2767.27 h35
  text "IO35" at 44.85,2766.14 h35
  text "IO19" at 3187.65,2666.88 h35
  text "IO32" at 44.85,2665.75 h35
  text "IO18" at 3186.82,2566.48 h35
  text "IO33" at 44.85,2565.35 h35
  text "LED 3V3" at 518.19,2468.5 h35
  text "BLK ESP32" at 1012.03,2468.5 h35
  text "BLK STM32" at 1537.28,2468.5 h35
  text "LED 5V" at 2128.1,2468.5 h35
  text "LED RGB" at 2624.27,2468.5 h35
  text "IO5" at 3199.65,2466.09 h35
  text "IO25" at 44.85,2464.96 h35
  text "IO17" at 3186.82,2365.69 h35
  text "IO26" at 45.68,2364.56 h35
  text "+" at 749.06,2306.72 h100
  text "+" at 1274.06,2306.72 h100
  text "+" at 1802.06,2306.72 h100
  text "+" at 2326.06,2306.72 h100
  text "+" at 2636.06,2306.72 h100
  text "RST ESP32" at 494.19,2268.5 h35
  text "FLASH" at 1070.91,2268.5 h35
  text "RST STM32" at 1533.45,2268.5 h35
  text "BUTTON1" at 2098.35,2268.5 h35
  text "BUTTON2" at 2614.86,2268.5 h35
  text "IO16" at 3187.65,2265.3 h35
  text "IO27" at 44.85,2264.17 h35
  text "IO4" at 3198.82,2164.91 h35
  text "IO14" at 46.76,2163.78 h35
  text "IO2" at 3199.65,2064.51 h35
  text "IO12" at 47.6,2063.38 h35
  text "IO15" at 3186.82,1964.12 h35
  text "IO13" at 47.6,1962.99 h35
  text "PB9" at 3190.4,1863.72 h35
  text "PC13" at 35.68,1862.59 h35
  text "PB8" at 3189.57,1763.33 h35
  text "PC14" at 34.85,1762.2 h35
  text "PB7" at 3189.57,1662.94 h35
  text "PC15" at 35.68,1661.81 h35
  text "PB6" at 3190.4,1562.54 h35
  text "PA0" at 48.51,1561.41 h35
  text "PB5" at 3189.57,1462.15 h35
  text "PA1" at 56.01,1461.02 h35
  text "PB4" at 3188.74,1361.75 h35
  text "PA2" at 48.51,1360.62 h35
  text "PB3" at 3189.57,1261.36 h35
  text "PA3" at 48.51,1260.23 h35
  text "PA15" at 3174.91,1160.97 h35
  text "PA4" at 47.68,1159.84 h35
  text "PA12" at 3174.91,1060.57 h35
  text "PA5" at 48.51,1059.44 h35
  text "PA11" at 3182.4,960.18 h35
  text "PA6" at 49.35,959.05 h35
  text "PA10" at 3174.91,859.78 h35
  text "PA7" at 48.51,858.65 h35
  text "PA9" at 3188.57,759.39 h35
  text "PB0" at 50.35,758.26 h35
  text "PA8" at 3187.74,659 h35
  text "PB1" at 57.84,657.87 h35
  text "PB15" at 3176.74,558.6 h35
  text "PB2" at 50.35,557.47 h35
  text "PB14" at 3175.91,458.21 h35
  text "PB10" at 37.51,457.08 h35
  text "UART2" at 2005.1,362.5 h35
  text "SWD" at 2487.59,362.5 h35
  text "PB13" at 3176.74,357.81 h35
  text "PB11" at 45.01,356.68 h35
  text "PB12" at 3176.74,257.42 h35
  text "5V" at 64.26,256.29 h35
  text "MPU6050" at 446.17,147.5 h35
  text "HC05" at 1321.34,147.5 h35
  text "INT" at 446.17,76.5 h35
  text "AD0" at 530.34,76.5 h35
  text "XCL" at 645.01,76.5 h35
  text "XDA" at 746.51,76.5 h35
  text "SDA" at 853.51,76.5 h35
  text "SCL" at 959.01,76.5 h35
  text "GND" at 1058.34,76.5 h35
  text "5V" at 1165.09,76.5 h35
  text "KEY" at 1321.34,76.5 h35
  text "RXD" at 1419.18,76.5 h35
  text "TXD" at 1514.01,76.5 h35
  text "GND" at 1611.34,76.5 h35
  text "5V" at 1715.09,76.5 h35
  text "STATE" at 1783.68,76.5 h35
  text "GND" at 2015.34,39.5 h35
  text "TX" at 2136.59,39.5 h35
  text "RX" at 2232.76,39.5 h35
  text "3V3" at 2325.18,39.5 h35
  text "SWDIO" at 2449.68,39.5 h35
  text "GND" at 2601.34,39.5 h35
  text "SWCLK" at 2707.27,39.5 h35
  text "3V3" at 2875.18,39.5 h35
Bottom Overlay:
  lines w6: 1570,3679 1980,3679 ; 1571,3565.5 1981,3565.5 ; 1571,3774 1981,3774 ; 1673,3445 1673,3878 ; 1775,3445 1775,3879 ; 1879,3446 1879,3877 ; 1569,3447 1571,3445 1981,3445 1981,3879 1569,3879 1569,3447
  text "RXD" at 1639.5,3664.82 h35 r90
  text "TXD" at 1737.13,3664.82 h35 r90
  text "RXD" at 1841.77,3664.82 h35 r90
  text "TXD" at 1946.41,3664.82 h35 r90
  text "TXD" at 1639.5,3546.82 h35 r90
  text "RXD" at 1737.13,3546.82 h35 r90
  text "TXD" at 1841.77,3546.82 h35 r90
  text "RXD" at 1946.41,3546.82 h35 r90
  text "STM32" at 1841.77,3427.9 h35 r90
  text "ESP32" at 1737.13,3425.9 h35 r90
  text "USB" at 1637.41,3404.9 h35 r90
  text "USB" at 1944.5,3404.9 h35 r90

## Text inside footprints (layer, text, board x,y; h text height)
BZ1: Top Overlay "+" at 690,905 h80
C31: Top Overlay "+" at 1777,2593 h48 r270
J2: Top Courtyard "PCB Edge" at 2342.18,3962.77 h16 r180